# KiCad board proteus.kicad_pcb (continued)
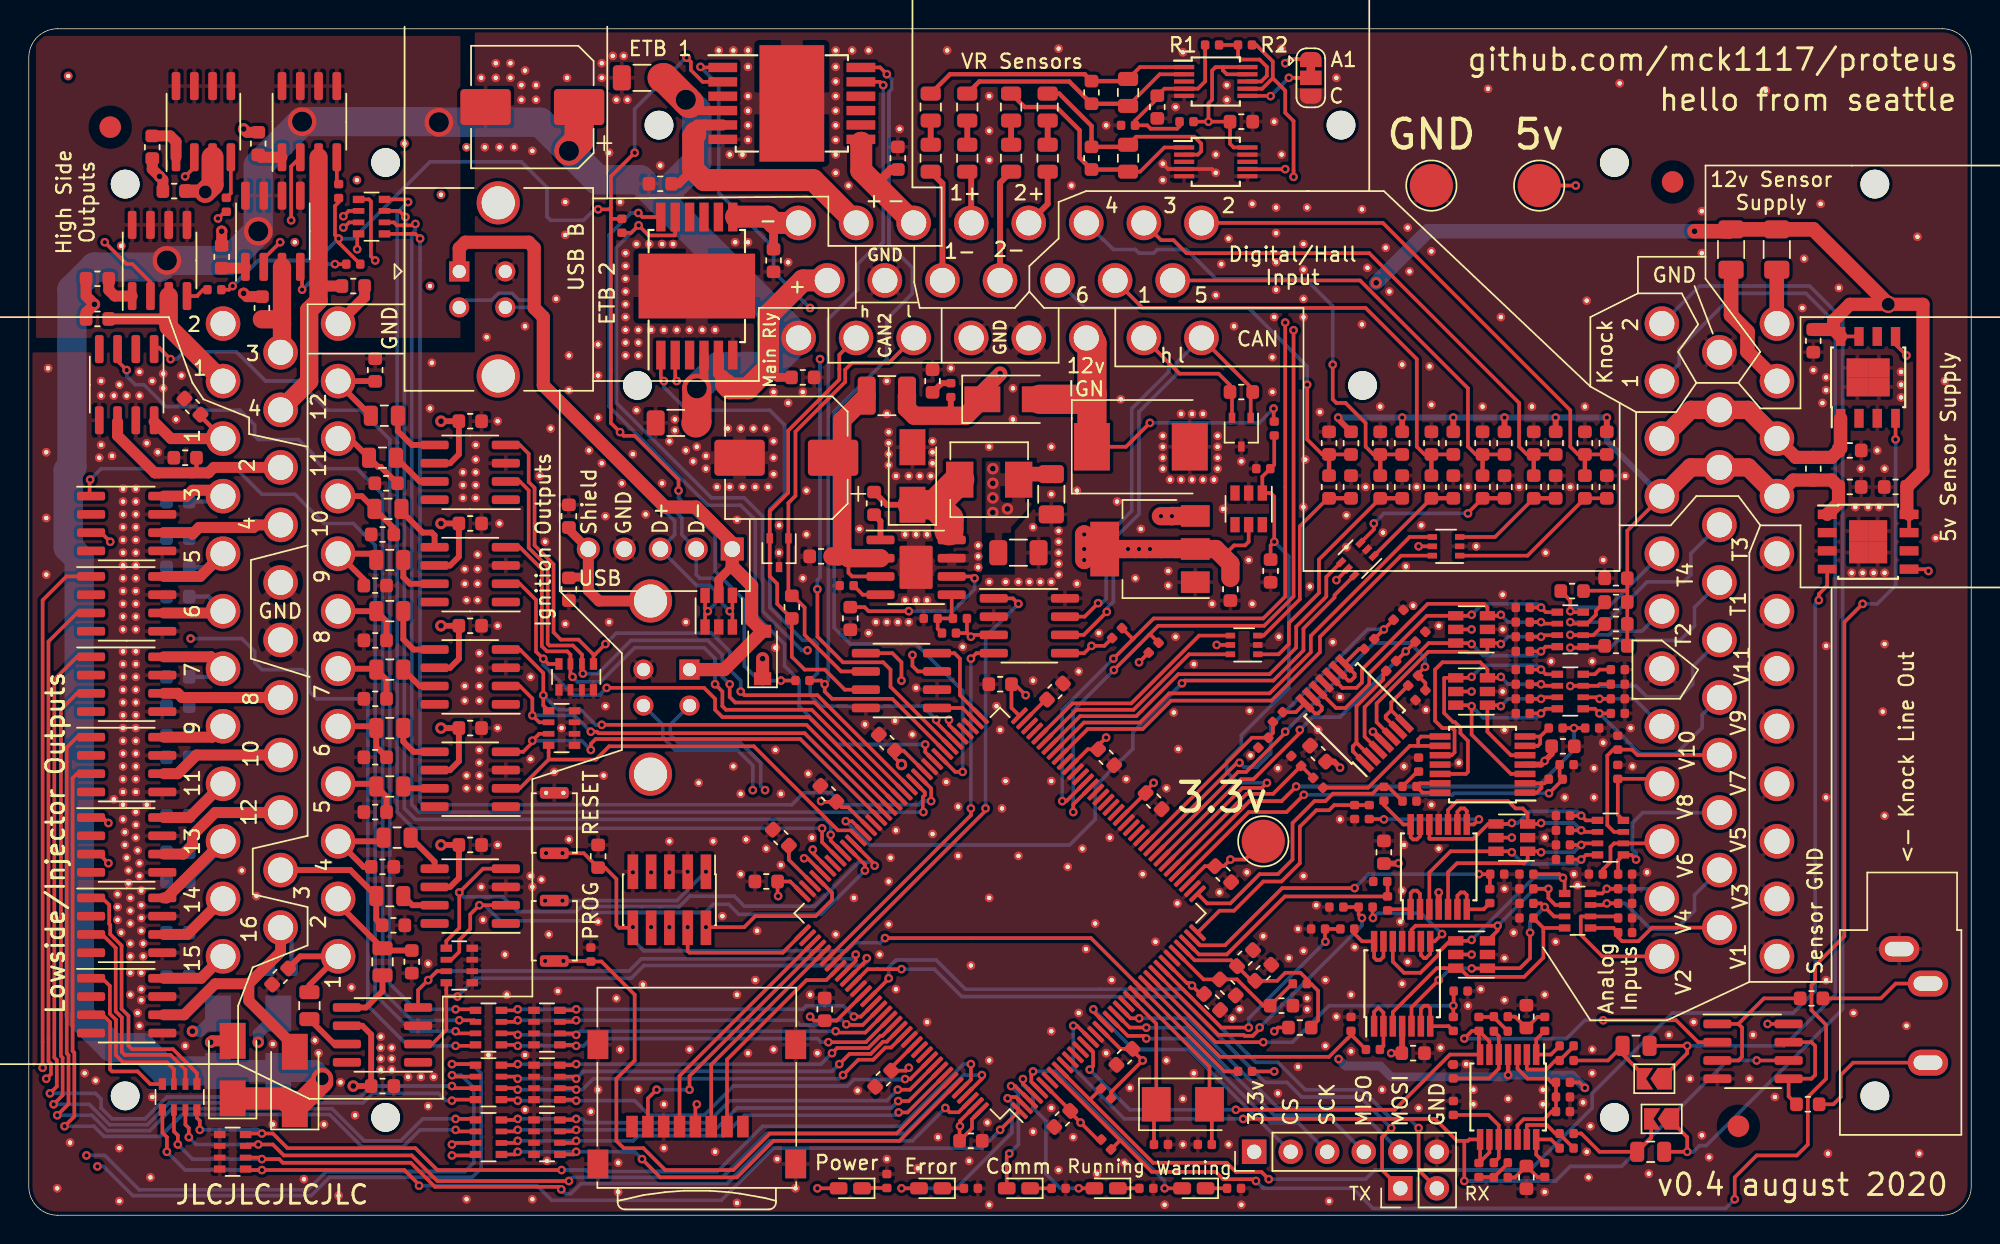
[diagram p0: board, top side]
## Routing (per net, layer and track width the routed paths; a pad name or vN(x,y) marks a point on that pad's centre or on a via; arc(x,y) is an arc through that point) (continued)
/ETB2+: length 16.9
  Top w0.61: C1602.2 52.03,58.26 51.39,58.9
  Top w0.762: 48.21,58.26 47.93,58.54 U1601.5
  Top w1.016: 48.46,57.75 48.21,58.26 48.46,58.01
  Top w1.524: J101.15 53.8,65 51.39,62.59 51.39,62.02 51.39,62.01 51.39,58.9 49.98,57.5 48.71,57.5 48.46,57.75
/ETB2-: length 6.4
  Top w0.61: 51.8,69 51.76,68.96 C1603.1
  Top w1.524: 49.17,69.41 49.17,69.44 51.37,69.44 51.8,69 J101.8
/etb2/DIR: length 44.5
  Top w0.254: v3(44.14,58.01) 43.93,58.22 U1601.1 ; U1501.78 63.06,34.27 v3(63.06,34.45)
  Bottom w0.254: v3(44.14,58.01) 44.14,57.58 45.75,55.97 51.51,55.97 52.52,54.96 52.52,50.13 51.51,49.12 51.51,42.26 53.79,39.97 54.56,39.97 54.81,39.72 54.81,37.69 54.3,37.18 54.3,36.16 55.06,35.4 62.11,35.4 v3(63.06,34.45)
/etb2/DIS: length 58.1
  Top w0.254: v3(63.95,34.45) 63.95,34.09 U1501.77 ; R1301.1 41.87,68.32 v3(42.38,68.83) 43.08,68.13 44.9,68.13 44.93,68.16 U1601.11
  In2.Cu w0.254: v3(63.95,34.45) 63.95,34.96 63.76,35.15 55.32,35.15 54.12,36.34 v2(54.12,39.28)
  Bottom w0.254: 54.05,39.35 v2(54.12,39.28) 53.72,39.28 51,42 51,48.61 49.73,49.88 47.44,49.88 40.84,56.48 40.84,67.29 v3(42.38,68.83)
/HS1: length 11.9
  Top w0.762: C1301.1 9.18,62.32 9.73,61.77
  Top w1.27: J102.2 9.73,61.77 U1102.3
/HS2: length 14.2
  Top w0.914: C1302.1 12.2,71.21 v5(12.27,71.15)
  Top w1.524: v5(12.27,71.15) 12.77,71.66 12.77,73.56
  In2.Cu w2.032: J102.1 12.3,63.2 12.3,66.9 11.63,67.57 11.63,70.52 v5(12.27,71.15)
/HS3: length 7.5
  Top w1.27: U1104.3 17.6,61.94 ; 17.6,61.94 17.24,62.3 C1303.1 ; 17.6,61.94 17.6,60.1 J102.13
/HS4: length 20.3
  Top w0.762: 20.14,64.74 20.27,64.61 C1304.1
  Top w1.27: J102.14 19.49,57.99 19.49,62.93 20.14,63.58 20.14,73.56
/IGN1: length 7.1
  Top w0.406: R1601.1 19.5,16 J102.35 18.87,18 C1605.1
/IGN2: length 6.8
  Top w0.406: C1606.1 24.73,18.41 R1602.1 21.5,21.64 J102.34
/IGN3: length 9.6
  Top w0.406: J102.22 22.35,24 R1603.1 24.15,20.56 C1608.1
/IGN4: length 6.3
  Top w0.406: C1609.1 23.28,24.22 J102.33 24.41,26 R1604.1
/IGN5: length 4.8
  Top w0.406: C1702.1 24.86,29.1 R1701.1 23.97,30 J102.32
/IGN6: length 5
  Top w0.406: J102.31 24.03,34 R1702.1 24.15,32.55 C1703.1
/IGN7: length 5
  Top w0.406: J102.30 24.09,38 R1703.1 24.86,37.23 C1705.1
/IGN8: length 5
  Top w0.406: C1706.1 24.86,41.3 R1704.1 24.15,42 J102.29
/IGN9: length 5.8
  Top w0.406: R1801.1 23.71,46 J102.28 23.29,44.21 C1802.1
/IGN10: length 5.2
  Top w0.406: J102.27 23.14,50 R1802.1 25.37,47.77 C1803.1
/IGN11: length 5.4
  Top w0.406: C1805.1 25.6,50.89 24.46,52.04 24.28,52.04 R1803.1 22.32,54 J102.26
/IGN12: length 5.9
  Top w0.406: C1806.1 24.06,58 J102.25 21.5,57.87 R1804.1
/knock/FILTERED_1: length 55.5
  Top w0.254: U5.6 101.52,12.09 C23.2 ; v2(99.77,12.29) 100.3,12.82 C23.2 ; C23.2 100.78,11.25 U5.7 98.77,11.17 94.93,7.33 v2(83.89,7.33) ; U1501.14 73.97,11.35 73.97,10.36 v2(73.73,10.13) ; U7.2 116.02,12.03 114.5,13.56 v2(109.42,13.56)
  Bottom w0.254: v2(73.73,10.13) 76.53,7.33 v2(83.89,7.33) ; v2(99.77,12.29) 106.88,12.29 108.15,13.56 v2(109.42,13.56)
/knock/FILTERED_2: length 67.4
  Top w0.254: 99.77,5.17 99.26,5.17 97.74,6.7 v2(84.4,6.7) ; 99.77,5.17 100.02,5.17 100.12,5.27 U5.8 100.87,3.71 C24.2 101.52,4.36 U5.9 ; 99.77,5.17 v2(99.77,2.38) ; v2(72.59,13.18) 72.85,13.18 U1501.15 ; v2(120.09,10.76) U7.6
  Bottom w0.254: v2(72.59,13.18) 72.59,10.25 76.15,6.7 v2(84.4,6.7) ; v2(120.09,10.76) 118.06,10.76 110.69,3.4 107.13,3.4 106.12,2.38 v2(99.77,2.38)
/knock/V_mid: length 10.1
  Top w0.254: U5.12 103.47,6.25 103.9,6.68 105.32,6.68 105.85,7.21 C1903.2 R38.1 R40.1 105.85,9.24 105.59,9.49 104.17,9.49 103.47,10.19 U5.3
/KNOCK_1: length 80.1
  Top w0.254: JP1.1 113.7,9.71 115.26,11.27 v2(115.26,11.78) C1901.2
  Bottom w0.254: J103.34 114.7,59.2 114.7,60.24 118.56,64.1 123.52,64.1 125.55,62.07 125.55,15.33 121.99,11.78 v2(115.26,11.78)
/KNOCK_2: length 81.8
  Top w0.254: C1902.2 v2(115.26,4.41) 115.26,5.43 114.21,6.48 JP2.1
  Bottom w0.254: v2(115.26,4.41) 115.69,4.41 116.11,4.84 116.58,4.84 126.06,14.32 126.06,62.32 123.77,64.61 116.11,64.61 J103.35
/lowside_quad1/IN1: length 27.9
  Top w0.254: RN202.8 37.98,14.25 v2(38.05,14.32) ; U1501.123 57.84,13.81 v2(57.35,13.81) ; RN201.4 33.91,14.25 v2(33.98,14.32)
  Bottom w0.254: v2(57.35,13.81) 56.59,14.57 54.05,14.57 53.79,14.32 v2(38.05,14.32) v2(33.98,14.32)
/lowside_quad1/IN2: length 28.3
  Top w0.254: RN202.7 37.94,13.45 v2(38.05,13.56) ; U1501.124 57.96,13.23 56.87,13.23 v2(56.82,13.28) ; RN201.3 33.87,13.45 v2(33.98,13.56)
  Bottom w0.254: v2(56.82,13.28) 56.52,13.58 55.09,13.58 54.74,13.23 53.61,13.23 53.29,13.56 v2(38.05,13.56) v2(33.98,13.56)
/lowside_quad1/IN3: length 28.5
  Top w0.254: v2(33.98,12.54) 33.87,12.65 RN201.2 ; RN202.6 37.94,12.65 v2(38.05,12.54) ; v2(56.08,12.79) 56.17,12.7 58.14,12.7 U1501.125
  Bottom w0.254: v2(33.98,12.54) v2(38.05,12.54) 38.3,12.79 v2(56.08,12.79)
/lowside_quad1/IN4: length 29.1
  Top w0.254: RN202.5 37.98,11.85 v2(38.05,11.78) ; v2(33.98,11.78) 33.91,11.85 RN201.1 ; U1501.126 58.18,12.03 v2(55.57,12.03)
  Bottom w0.254: v2(33.98,11.78) v2(38.05,11.78) 38.55,11.78 39.06,12.29 54.81,12.29 55.06,12.03 v2(55.57,12.03)
/lowside_quad2/IN1: length 29.6
  Top w0.254: v2(33.98,10.51) 33.91,10.44 RN301.4 ; U1501.127 59.33,12.47 59.19,12.47 58.35,11.63 56.18,11.63 v2(55.83,11.27) ; v2(38.05,10.51) 37.98,10.44 RN302.8
  Bottom w0.254: v2(55.83,11.27) 55.06,10.51 v2(38.05,10.51) v2(33.98,10.51)
/lowside_quad2/IN2: length 30.3
  Top w0.254: v2(33.98,9.49) 33.84,9.64 RN301.3 ; RN302.7 37.9,9.64 v2(38.05,9.49) ; U1501.128 59.63,12.07 59.36,12.07 58.52,11.22 57.05,11.22 v2(56.33,10.51)
  Bottom w0.254: v2(33.98,9.49) v2(38.05,9.49) 38.55,10 55.83,10 v2(56.33,10.51)
/lowside_quad2/IN3: length 30.8
  Top w0.254: U1501.129 59.93,11.66 59.53,11.66 58.68,10.81 57.65,10.81 v2(56.59,9.75) ; v2(38.05,8.73) 37.94,8.84 RN302.6 ; RN301.2 33.87,8.84 v2(33.98,8.73)
  Bottom w0.254: v2(33.98,8.73) v2(38.05,8.73) 38.47,8.73 39.23,9.49 56.33,9.49 v2(56.59,9.75)
/lowside_quad2/IN4: length 33
  Top w0.254: v2(60.9,9.47) 61.27,9.47 U1501.134 ; RN301.1 33.91,8.04 v2(33.98,7.97) ; RN302.5 37.98,8.04 v2(38.05,7.97)
  Bottom w0.254: v2(60.9,9.47) 60.87,9.44 57.35,9.44 56.9,8.98 48.97,8.98 46.94,6.95 43.13,6.95 42.11,7.97 v2(38.05,7.97) v2(33.98,7.97)
/lowside_quad3/IN1: length 33.1
  Top w0.254: U1501.135 61.24,8.73 v2(60.4,8.73) ; RN402.8 37.98,6.63 v2(38.05,6.7) ; v2(33.98,6.7) 33.91,6.63 RN401.4
  Bottom w0.254: v2(60.4,8.73) 59.64,7.97 48.71,7.97 47.19,6.44 38.72,6.44 38.47,6.7 v2(38.05,6.7) v2(33.98,6.7)
/lowside_quad3/IN2: length 33.4
  Top w0.254: RN401.3 33.87,5.83 v2(33.98,5.94) ; v2(38.05,5.94) 37.94,5.83 RN402.7 ; U1501.136 61.16,7.94 v2(60.43,7.94)
  Bottom w0.254: v2(33.98,5.94) v2(38.05,5.94) 47.7,5.94 49.22,7.46 59.95,7.46 v2(60.43,7.94)
/lowside_quad3/IN3: length 34
  Top w0.254: v2(33.98,5.17) 33.84,5.03 RN401.2 ; v2(60.45,7.15) 61.07,7.15 U1501.137 ; v2(38.05,5.17) 37.9,5.03 RN402.6
  Bottom w0.254: v2(33.98,5.17) v2(38.05,5.17) 42.01,5.17 42.36,5.53 48.31,5.53 49.73,6.95 60.26,6.95 v2(60.45,7.15)
/lowside_quad3/IN4: length 36.2
  Top w0.254: v2(38.05,4.41) 37.86,4.23 RN402.5 ; RN401.1 33.8,4.23 v2(33.98,4.41) ; v2(42.62,3.9) 43.89,2.63 49.22,2.63 51.76,5.17 60.51,5.17 U1501.139
  Bottom w0.254: v2(33.98,4.41) v2(38.05,4.41) 42.11,4.41 v2(42.62,3.9)
/lowside_quad4/IN1: length 62.6
  Top w0.254: v2(37.03,3.14) 28.39,3.14 26.87,4.67 17.98,4.67 16.96,5.68 v2(16.2,5.68) 15.14,5.68 RN502.8 ; U1501.140 65.48,9.43 v2(65.48,10.51) ; v2(11.88,5.94) 11.88,6.57 11.69,6.77 11.69,7.32
  Bottom w0.254: v2(16.2,5.68) 15.95,5.94 v2(11.88,5.94) ; v2(65.48,10.51) 64.97,10.51 60.65,6.19 51,6.19 47.85,3.04 38.81,3.04 38.71,3.14 v2(37.03,3.14)
/lowside_quad4/IN2: length 64.2
  Top w0.254: v2(37.54,2.38) 28.39,2.38 26.62,4.16 17.73,4.16 16.96,4.92 v2(15.95,4.92) 15.18,4.92 RN502.7 ; v2(11.12,5.43) 11.12,6.06 10.89,6.3 10.89,7.32 ; U1501.141 66.24,9.49 v2(66.24,9.75)
  Bottom w0.254: v2(37.54,2.38) 37.79,2.63 48.21,2.63 51.25,5.68 60.91,5.68 64.97,9.75 v2(66.24,9.75) ; v2(11.12,5.43) 11.63,4.92 v2(15.95,4.92)
/lowside_quad4/IN3: length 63.1
  Top w0.254: v2(10.36,4.92) 10.36,5.55 10.09,5.83 RN501.2 ; v2(63.7,7.46) 64,7.16 64.62,7.16 U1501.142 ; v2(37.01,1.8) 36.83,1.97 28.23,1.97 26.55,3.65 17.66,3.65 17.41,3.9 v2(16.2,3.9) 16.09,4.01 RN502.6
  Bottom w0.254: v2(37.01,1.8) 37.31,1.5 37.68,1.5 38.37,2.2 48.53,2.2 51.51,5.17 61.41,5.17 v2(63.7,7.46) ; v2(10.36,4.92) 11.38,3.9 v2(16.2,3.9)
/lowside_quad4/IN4: length 67.5
  Top w0.254: v2(27.12,2.05) 27.12,2.13 26.11,3.14 v2(16.2,3.14) 15.14,3.14 RN502.5 ; v2(9.6,4.41) 9.6,5.43 9.29,5.74 RN501.1 ; v2(67.51,5.94) 68.85,7.27 U1501.1
  Bottom w0.254: v2(9.6,4.41) 10.87,3.14 v2(16.2,3.14) ; v2(27.12,2.05) 35.32,2.05 36.34,1.04 48.13,1.04 51.76,4.67 66.24,4.67 v2(67.51,5.94)
/LS1: length 7.6
  Top w0.305: C201.1 11.93,55.57 J102.3
  Top w0.762: 8.71,55.18 9.89,54 J102.3
/LS2: length 14.7
  Top w0.305: C202.1 11.66,51.94 11.34,51.62
  Top w0.762: J102.15 12.86,52 12.48,51.62 8.76,51.62 6.17,54.2 6.17,55.18
/LS3: length 7.2
  Top w0.762: 9.38,50.01 10.97,50.01 11.38,50.41 13.09,50.41 J102.4
  Bottom w0.305: C203.1 13.12,49.62 J102.4 13.37,50.13
/LS4: length 15.2
  Top w0.762: J102.16 15.8,48 15.63,47.83 11.84,47.83 11.38,47.36 11.27,47.47 9.38,47.47
  Bottom w0.305: C204.1 12.06,48 J102.16
/LS5: length 7.5
  Top w0.762: 9.38,44.42 11.92,44.42 J102.5
  Bottom w0.305: J102.5 12.55,45.05 C301.1
/LS6: length 7
  Top w0.762: 9.38,41.88 13.38,41.88 J102.6
  Bottom w0.305: C302.1 12.48,43.02 J102.6 13.5,42
/LS7: length 7.1
  Top w0.762: J102.7 12.67,38.83 9.38,38.83
  Bottom w0.305: C303.1 12.93,37.43 J102.7 13.44,37.94
/LS8: length 14.8
  Top w0.762: 9.38,36.29 10.35,36.29 10.64,36 J102.19
  Bottom w0.305: C304.1 11.75,36 J102.19
/LS9: length 7
  Top w0.762: 9.38,33.24 12.74,33.24 J102.8
  Bottom w0.305: C401.1 12.87,33.37 J102.8
/LS10: length 15.1
  Top w0.762: J102.20 11.65,32 10.35,30.7 9.38,30.7
  Bottom w0.305: J102.20 12.32,32 12.16,31.84 C402.1
/LS11: length 8.4
  Top w0.762: J102.9 11.15,27.65 9.38,27.65
  Bottom w0.305: C403.1 13.37,30 J102.9
/LS12: length 17.6
  Top w0.762: 9.38,25.11 10.74,25.11 11.38,25.75 11.38,26.42 12.95,28 J102.21
  Bottom w0.305: J102.21 13.2,28 11.15,25.95 C404.1
/LS13: length 26.2
  Top w0.762: 9.38,22.06 9.57,22.06 J102.10
  In2.Cu w0.762: J102.10 11,23.49 11,13.18 v1(11.38,12.79)
  Bottom w0.305: J102.10 13.5,25.56 C501.1
  Bottom w0.762: D103.2 11.92,12.79 v1(11.38,12.79)
/LS14: length 22
  Top w0.762: 9.38,19.52 11.02,19.52 J102.11
  In2.Cu w0.762: v1(15.95,12.03) 15.82,12.16 15.82,18.76 14.7,19.88 14.7,20.8 J102.11
  Bottom w0.305: C502.1 13.5,22 J102.11
  Bottom w0.762: D101.2 15.95,12.63 v1(15.95,12.03)
/LS15: length 16.2
  Top w0.305: D104.2 14.17,12.03
  Top w0.762: J102.12 11.98,16.48 9.38,16.48 ; D104.2 12.74,12.13 v1(12.65,12.03)
  In2.Cu w0.762: J102.12 12.65,17.15 v1(12.65,12.03)
  Bottom w0.305: C503.1 12.1,16.6 J102.12 13.5,17.68
  Bottom w0.762: 13.66,17.84 J102.12
/LS16: length 20.9
  Top w0.762: J102.23 17.5,18.3 15.29,16.1 ; D102.2 18.49,11.71 15.29,14.91 15.29,16.1 ; 15.29,16.1 12.96,16.1 10.8,13.94 9.38,13.94
  Bottom w0.305: C504.1 18.26,19.24 J102.23
/mcu/AT1: length 24.9
  Top w0.254: U1501.44 84.24,30.32 85.12,30.32 88.34,33.54 v2(88.34,33.75) ; R29.2 v2(95.7,39.21) R25.1
  Bottom w0.254: v2(95.7,39.21) 91.13,34.64 89.23,34.64 v2(88.34,33.75)
/mcu/AT2: length 27.8
  Top w0.254: U1501.45 84.05,30.83 84.61,30.83 87.32,33.54 v2(87.32,33.62) ; R30.2 97.06,37.01 R26.1 96.55,37.65 v2(97.04,38.13)
  Bottom w0.254: v2(87.32,33.62) 93.49,39.79 95.98,39.79 97.04,38.74 v2(97.04,38.13)
/mcu/AT3: length 25.7
  Top w0.254: v2(84.15,31.46) 83.97,31.46 U1501.46 ; R27.1 v2(94.18,40.73) R31.2
  Bottom w0.254: v2(84.15,31.46) 84.45,31.16 85.37,31.16 86.31,32.1 86.31,34 93.04,40.73 v2(94.18,40.73)
/mcu/AT4: length 12.7
  Top w0.254: U1501.47 85.01,33.2 R32.2 86.47,33.53 R28.1
/mcu/AUX_SPI_CS: length 19.2
  Top w0.254: v2(73.99,14.32) 73.99,14.16 U1501.18
  Bottom w0.254: v2(73.99,14.32) 76.78,11.52 80.59,11.52 J1505.2
/mcu/AUX_SPI_MISO: length 21.2
  Top w0.254: v2(77.67,13.05) 76.51,13.05 U1501.20
  Bottom w0.254: v2(77.67,13.05) 80.46,13.05 86.56,6.95 90.24,6.95 J1505.4
/mcu/AUX_SPI_MOSI: length 23.5
  Top w0.254: U1501.21 76.58,13.69 v2(77.17,13.69)
  Bottom w0.254: v2(77.17,13.69) 80.58,13.69 86.81,7.46 92.28,7.46 J1505.5
/mcu/AUX_SPI_SCK: length 18.8
  Top w0.254: U1501.19 76.38,12.47 77.49,12.47 v2(77.67,12.29)
  Bottom w0.254: J1505.3 88.21,6.44 86.31,6.44 80.46,12.29 v2(77.67,12.29)
/mcu/BOOT0: length 44.5
  Top w0.254: U1501.138 60.31,5.68 51.51,5.68 48.97,3.14 44.24,3.14 42.71,4.67 41.35,4.67 40.84,5.17 40.84,9.49 42.11,10.76 42.11,15.33 39.8,17.64 R1513.1 39.03,17.68 v2(37.16,17.68) 37.15,17.68 SW1502.1 35.89,17.68 v2(35.89,17.68)
/mcu/CAN2_RX: length 6.3
  Top w0.254: U6.4 64.33,39.08 64.72,38.7 64.72,36.16 66.15,34.73 U1501.73
/mcu/CAN2_TX: length 3
  Top w0.254: U1501.74 64.89,35.27 U6.1
/mcu/CAN_RX: length 26.7
  Top w0.254: v2(65.48,38.7) 65.86,39.08 U904.4 ; v2(65.48,28.29) 65.48,27.82 U1501.114
  Bottom w0.254: v2(65.48,38.7) v2(65.48,28.29)
/mcu/CAN_TX: length 32.2
  Top w0.254: v2(66.49,28.29) 66.49,28.13 U1501.115 ; v2(68.78,42.51) 68.4,42.89 U904.1
  Bottom w0.254: v2(68.78,42.51) 66.49,40.23 v2(66.49,28.29)
/mcu/DIGITAL1: length 48.4
  Top w0.254: U1202.6 90.75,43.12 90.75,42.96 88.59,40.8 88.59,39.27 86.5,37.18 80.34,37.18 v2(80.15,36.99) ; U1501.96 57.21,27.4 v3(56.78,27.4)
  Bottom w0.254: v3(56.78,27.4) 58.43,25.75 72.34,25.75 74.11,27.53 74.11,29.81 76.74,32.43 76.74,33.58 v2(80.15,36.99)
/mcu/DIGITAL2: length 32.3
  Top w0.254: U1207.6 95.37,45.86 89.73,40.23 89.73,39.15 86.37,35.78 79.38,35.78 77.42,33.81 73.59,33.81 U1501.64
/mcu/DIGITAL3: length 33.1
  Top w0.254: U1501.65 73.33,34.26 77.23,34.26 79.26,36.29 86.24,36.29 89.1,39.15 89.1,40.29 95.97,47.16 U1207.4
/mcu/DIGITAL4: length 15.4
  Top w0.254: U1208.6 80.64,39 76.78,35.15 72.81,35.15 U1501.67 70.62,32.99
/mcu/DIGITAL5: length 27.2
  Top w0.254: U1202.4 90.18,44.38 90.18,43.02 88.08,40.92 88.08,39.46 86.24,37.62 79.89,37.62 76.97,34.7 73.07,34.7 U1501.66
/mcu/DIGITAL6: length 16.1
  Top w0.254: U1501.68 72.54,35.59 76.62,35.59 81.34,40.3 U1208.4
/mcu/ETB1_PWM: length 62
  Top w0.254: v2(64.9,30.83) 64.39,30.83 U1501.81 ; v3(59.64,79.34) 59.17,79.81 U1201.12
  Bottom w0.254: v3(59.64,79.34) 59.96,79.02 59.96,78.3 59.79,78.13 59.79,67.51 61.41,65.88 61.41,64.1 59.64,62.32 59.64,59.53 55.98,55.87 55.98,40.84 57.1,39.72 61.67,39.72 64.9,36.49 v2(64.9,30.83)
/mcu/ETB2_PWM: length 55.2
  Top w0.254: v3(62.3,32.73) 62.3,32.21 U1501.82 ; U1601.12 42.64,69.41 v2(42.36,69.69)
  Bottom w0.254: v3(62.3,32.73) 56.21,32.73 53.54,35.4 53.54,37.18 52.52,38.19 52.52,39.72 50.49,41.75 50.49,48.35 49.48,49.37 47.19,49.37 40.33,56.23 40.33,68.17 41.86,69.69 v2(42.36,69.69)
/mcu/HS1: length 77
  Top w0.254: U1501.101 55.13,25.94 v2(55.13,26.9) ; RN1301.4 26.18,70.64 v3(26.36,70.45)
  Bottom w0.254: v3(26.36,70.45) 25.6,69.69 25.6,28.03 26.73,26.9 v2(55.13,26.9)
/mcu/HS2: length 75.2
  Top w0.254: v2(55.73,26.45) 55.73,26.05 U1501.100 ; RN1301.3 25.75,69.84 v3(26.18,69.41)
  Bottom w0.254: v3(26.18,69.41) 26.18,68.98 26.11,68.91 26.11,28.29 26.87,27.53 55.37,27.53 55.73,27.16 v2(55.73,26.45)
/mcu/HS3: length 81
  Top w0.254: v3(26.87,68.93) 26.77,68.83 25.58,68.83 25.38,69.04 RN1301.2 ; U1501.86 62.27,29.41 62.27,29.21 62.14,29.07 62.14,28.07 v2(62.18,28.03)
  Bottom w0.254: v2(62.18,28.03) 27.12,28.03 26.62,28.54 26.62,68.25 26.87,68.5 v3(26.87,68.93)
/mcu/HS4: length 80.2
  Top w0.254: RN1301.1 26.87,68.24 v3(27.2,67.91) ; v2(62.71,28.8) 62.71,29.67 U1501.85
  Bottom w0.254: v2(62.71,28.8) 62.08,28.8 61.83,28.54 56.59,28.54 55.75,29.38 53.87,29.38 53.03,28.54 27.38,28.54 27.2,28.72 27.2,66.46 v3(27.2,67.91)
/mcu/IGN1: length 38.1
  Top w0.254: v2(58.24,17.87) 58.24,17.75 U1501.118 ; RN1601.8 29.02,15.22 ; U1602.2 28.03,11.9 29.02,12.89 29.02,15.22 ; 29.02,15.22 29.78,15.22 v2(29.79,15.21)
  Bottom w0.254: v2(58.24,17.87) 58.24,17.62 57.98,17.37 42.74,17.37 41.86,16.48 31.06,16.48 v2(29.79,15.21)
/mcu/IGN2: length 35.8
  Top w0.254: v2(57.48,18.13) 57.48,17.69 U1501.117 ; RN1601.7 28.36,16.97 27.06,15.66 U1602.4
  Bottom w0.254: v2(57.48,18.13) 57.18,17.83 42.57,17.83 41.73,16.98 28.39,16.98 v2(27.76,16.35)
/mcu/IGN3: length 38.1
  Top w0.254: RN1601.6 29.37,17.77 29.92,18.31 29.92,19.14 30.68,19.91 30.68,20.92 v2(31.31,21.56) U1603.2 ; v2(58.11,23.97) 58.11,24.38 U1501.99
  Bottom w0.254: v2(31.31,21.56) 31.7,21.56 32.78,20.48 38.62,20.48 39.19,21.05 47,21.05 47.57,21.62 48.65,21.62 49.35,20.92 55.06,20.92 v2(58.11,23.97)
/mcu/IGN4: length 41.9
  Top w0.254: U1603.4 31.57,24.1 v2(29.92,22.45) 29.92,19.97 29.02,19.07 RN1601.5 ; v2(58.78,24.31) 58.78,24.41 U1501.98
  Bottom w0.254: v2(58.78,24.31) 58.54,24.55 57.68,24.55 54.62,21.49 49.73,21.49 49.03,22.19 45.94,22.19 45.22,21.47 38.4,21.47 38.05,21.11 33.98,21.11 32.96,22.14 30.23,22.14 v2(29.92,22.45)
/mcu/IGN5: length 29.3
  Top w0.254: 36.13,31.68 34.13,29.68 U1701.2 ; 36.13,31.68 RN1701.8 ; 36.13,31.68 39.41,31.68 40.33,32.61 50.4,32.61 56.24,26.76 57.14,26.76 U1501.97
/mcu/IGN6: length 30.7
  Top w0.254: v3(39.06,32.35) 39.06,32.78 39.4,33.11 53.62,33.11 U1501.93 ; U1701.4 34.36,32.23 35,32.86 v2(35,33) 35.48,33.48 RN1701.7
  Bottom w0.254: v3(39.06,32.35) 38.42,33 v2(35,33)
/mcu/IGN7: length 31.9
  Top w0.254: U1702.2 34.13,36.8 35,35.93 v2(35,34.75) 35.48,34.28 RN1701.6 ; v3(39.06,33.62) 39.49,33.62 39.59,33.52 53.92,33.52 U1501.92
  Bottom w0.254: v3(39.06,33.62) 37.93,34.75 v2(35,34.75)
/mcu/IGN8: length 33.3
  Top w0.254: U1702.4 34.13,39.34 35.76,37.71 v2(35.76,36.16) 35.76,35.45 RN1701.5 ; U1501.91 54.05,34.1 v3(39.82,34.1)
  Bottom w0.254: v3(39.82,34.1) 39.4,34.1 38.34,35.16 36.76,35.16 v2(35.76,36.16)
/mcu/IGN9: length 37.7
  Top w0.254: U1501.90 54.22,34.64 48.21,34.64 47.7,35.15 47.7,35.91 46.94,36.67 v2(40.16,36.67) ; RN1801.8 36.12,38.33 v2(35.76,38.69) 35.25,39.2 35.25,42.79 34.13,43.91 U1801.2
  Bottom w0.254: v2(40.16,36.67) 39.65,36.16 37.86,36.16 35.76,38.27 v2(35.76,38.69)
/mcu/IGN10: length 42.1
  Top w0.254: U1801.4 34.13,46.45 35.66,44.92 35.66,39.57 36.01,39.21 37.42,39.21 37.65,38.99 RN1801.7 37.65,37.58 v2(37.79,37.43) ; U1501.89 54.41,35.15 48.46,35.15 48.21,35.4 48.21,36.42 v2(47.7,36.92)
  Bottom w0.254: v2(37.79,37.43) 38.14,37.09 39.73,37.09 42.11,39.46 46.94,39.46 47.7,38.7 v2(47.7,36.92)
/mcu/IGN11: length 46.2
  Top w0.254: U1501.88 54.61,35.65 49.09,35.65 48.71,36.03 v2(48.71,36.92) ; U1802.2 34.13,51.02 34.74,50.41 34.74,46.41 36.06,45.09 36.06,39.73 36.18,39.62 37.82,39.62 38.45,38.99 RN1801.6 38.45,37.68 38.47,37.65
  Bottom w0.254: v2(38.51,37.66) 39.55,37.66 41.86,39.97 47.19,39.97 48.21,38.96 48.21,37.43 v2(48.71,36.92)
/mcu/IGN12: length 47.2
  Top w0.254: 39.25,38.99 39.35,38.99 v2(40.08,39.72) ; 39.25,38.99 38.21,40.02 36.98,40.02 36.47,40.53 36.47,45.26 35.15,46.58 35.15,50.58 34.74,50.98 34.74,52.95 34.13,53.56 U1802.4 ; 39.25,38.99 RN1801.5 ; v2(49.48,36.42) 49.73,36.16 54.81,36.16 61.2,29.78 U1501.87
  Bottom w0.254: v2(40.08,39.72) 40.84,40.48 47.44,40.48 48.71,39.21 48.71,37.94 49.48,37.18 v2(49.48,36.42)
/mcu/LED1: length 14.5
  Top w0.254: v2(68.03,8.13) 68.12,8.22 68.61,8.22 U1501.2 ; D1504.2 v2(60.65,1.87)
  Bottom w0.254: v2(68.03,8.13) 68.33,7.83 68.33,5.74 64.46,1.87 v2(60.65,1.87)
/mcu/LED2: length 9.4
  Top w0.254: v2(68.27,8.98) 68.56,8.98 U1501.3 ; v2(68.14,4.29) 67.97,4.11 D1505.2
  Bottom w0.254: v2(68.27,8.98) 68.78,8.48 68.78,4.92 v2(68.14,4.29)
/mcu/LED3: length 12.5
  Top w0.254: v2(69.1,9.47) 69.1,9.15 U1501.4 ; D1506.2 v2(72.97,1.87)
  Bottom w0.254: v2(69.1,9.47) 69.1,9.04 69.8,8.34 69.8,7.46 70.69,6.57 70.69,2.89 71.7,1.87 v2(72.97,1.87)
/mcu/LED4: length 15.6
  Top w0.254: U1501.5 69.67,9.28 69.67,9.88 v2(69.8,10) ; v2(78.94,1.87) D1507.2
  Bottom w0.254: v2(78.94,1.87) 78.94,2.38 71.32,10 v2(69.8,10)
/mcu/nRESET: length 57.6
  Top w0.254: v3(59.51,19.27) 73.83,19.27 U1501.25 83.1,10 R1502.1 ; v2(41.98,20.03) J1502.10 41.01,19.99 40.84,20.16 40.84,23.38 40.05,24.17 C1517.2 38.57,25.17 v2(37.09,25.18) 37.09,25.17 SW1501.1 35.95,25.17 v2(35.95,25.18)
  Bottom w0.254: v3(59.51,19.27) 59.18,18.95 57.41,18.95 56.84,18.38 42.74,18.38 41.98,19.14 v2(41.98,20.03)
/mcu/SD_CS: length 15
  Top w0.254: U1501.116 55.43,16.35 54.05,16.35 48.53,10.83 J1.2
/mcu/SD_MISO: length 18.7
  Top w0.254: J1.7 43.03,8.12 v2(43.63,8.73) ; U1501.112 45.92,9.67 v2(45.92,8.73)
  Bottom w0.254: v2(43.63,8.73) v2(45.92,8.73)
/mcu/SD_MOSI: length 15.3
  Top w0.254: U1501.113 47.43,10.47 J1.3
/mcu/SD_SCK: length 16.6
  Top w0.254: J1.5 45.23,9.69 U1501.111
/mcu/SWCLK: length 10.3
  Top w0.254: 45.79,19.99 v2(45.79,20.03) 45.79,18.38 45.92,18.26 52.4,18.26 53.67,19.52 53.67,19.54 U1501.109
/mcu/SWDIO: length 11.5
  Top w0.254: J1502.2 v2(47.06,20.03) 49.73,20.03 50.49,20.8 54.68,20.8 55.83,21.94 55.83,22.42 U1501.105 54.83,23.44
/mcu/UART_RX: length 49.4
  Top w0.254: J2.2 96.59,3.14 v2(96.59,6.06) ; v2(59.76,16.48) 59.76,16.44 U1501.122
  Bottom w0.254: v2(59.76,16.48) 59.76,17.24 60.27,17.75 63.06,17.75 65.1,15.71 80.21,15.71 85.29,10.63 86.81,10.63 88.72,8.73 92.66,8.73 94.69,6.7 95.96,6.7 v2(96.59,6.06)
/mcu/UART_TX: length 47.4
  Top w0.254: v2(60.65,17.11) 58.31,17.11 U1501.119 ; J2.1 94.05,3.14 94.05,5.43 v2(94.69,6.06)
  Bottom w0.254: v2(60.65,17.11) 62.94,17.11 64.84,15.21 79.96,15.21 85.92,9.24 87.45,9.24 88.47,8.22 92.53,8.22 v2(94.69,6.06)
/quad_analog3/IN4: length 2.1
  Top w0.254: R904.1 109.17,37.94 108.84,37.62 RN901.4
/quad_analog3/OUT4: length 1.6
  Top w0.254: 96.47,30.85 96.47,30.8 ; R20.1 96.51,30.85 R24.2
/triggers/VR1_OUT: length 70.6
  Top w0.254: 86.46,79.07 86.46,80.22 85.31,81.37 R1220.1 ; 86.46,79.07 85.72,78.33 U1203.7 ; 86.46,79.07 87.32,78.2 87.32,76.66 87.9,76.08 v3(87.9,72.21) ; 77.86,40.36 77.97,40.36 R1215.2 ; 77.86,40.36 78.49,40.99 85.86,40.99 87.9,43.02 v3(87.9,61.54) ; 77.86,40.36 v3(75.41,37.91) ; v3(72.59,28.03) 72.59,28.56 U1501.58
  In1.Cu w0.254: v3(87.9,61.54) v3(87.9,72.21)
  Bottom w0.254: v3(72.59,28.03) 72.59,35.09 v3(75.41,37.91)
/triggers/VR2_OUT: length 60.7
  Top w0.254: U1204.7 84.7,72.74 v3(87.32,72.74) ; 76.78,40.1 v3(75.38,38.7) ; 76.78,40.1 76.7,40.1 R1216.2 ; 76.78,40.1 78.18,41.5 85.8,41.5 87.32,43.02 v3(87.32,62.07) ; v3(71.83,28.8) 72.11,28.8 U1501.59
  In1.Cu w0.254: v3(87.32,62.07) v3(87.32,72.74)
  Bottom w0.254: v3(75.38,38.7) 71.83,35.15 v3(71.83,28.8)
/USB_D+: length 62
  Top w0.2: U1501.104 55.22,23.77
  Top w0.254: U1502.6 47,42.19 v3(47.19,42) 47,41.82 U1502.1 ; v3(53.88,24.82) 54.13,24.82 55.18,23.77 U1501.104